# Altium PCB SmallHat_V2.PcbDoc (part 2 of 2)
Units mil, origin at the board's own origin, x right, y up, seen from the top; angles counter-clockwise.
Board outline 2559.06 x 2204.72 mil, 2 copper layers (Top Layer, Bottom Layer); 83 components, 99 nets, 402 pads, 279 vias.
Unrouted connection lines stored in the file: 1.
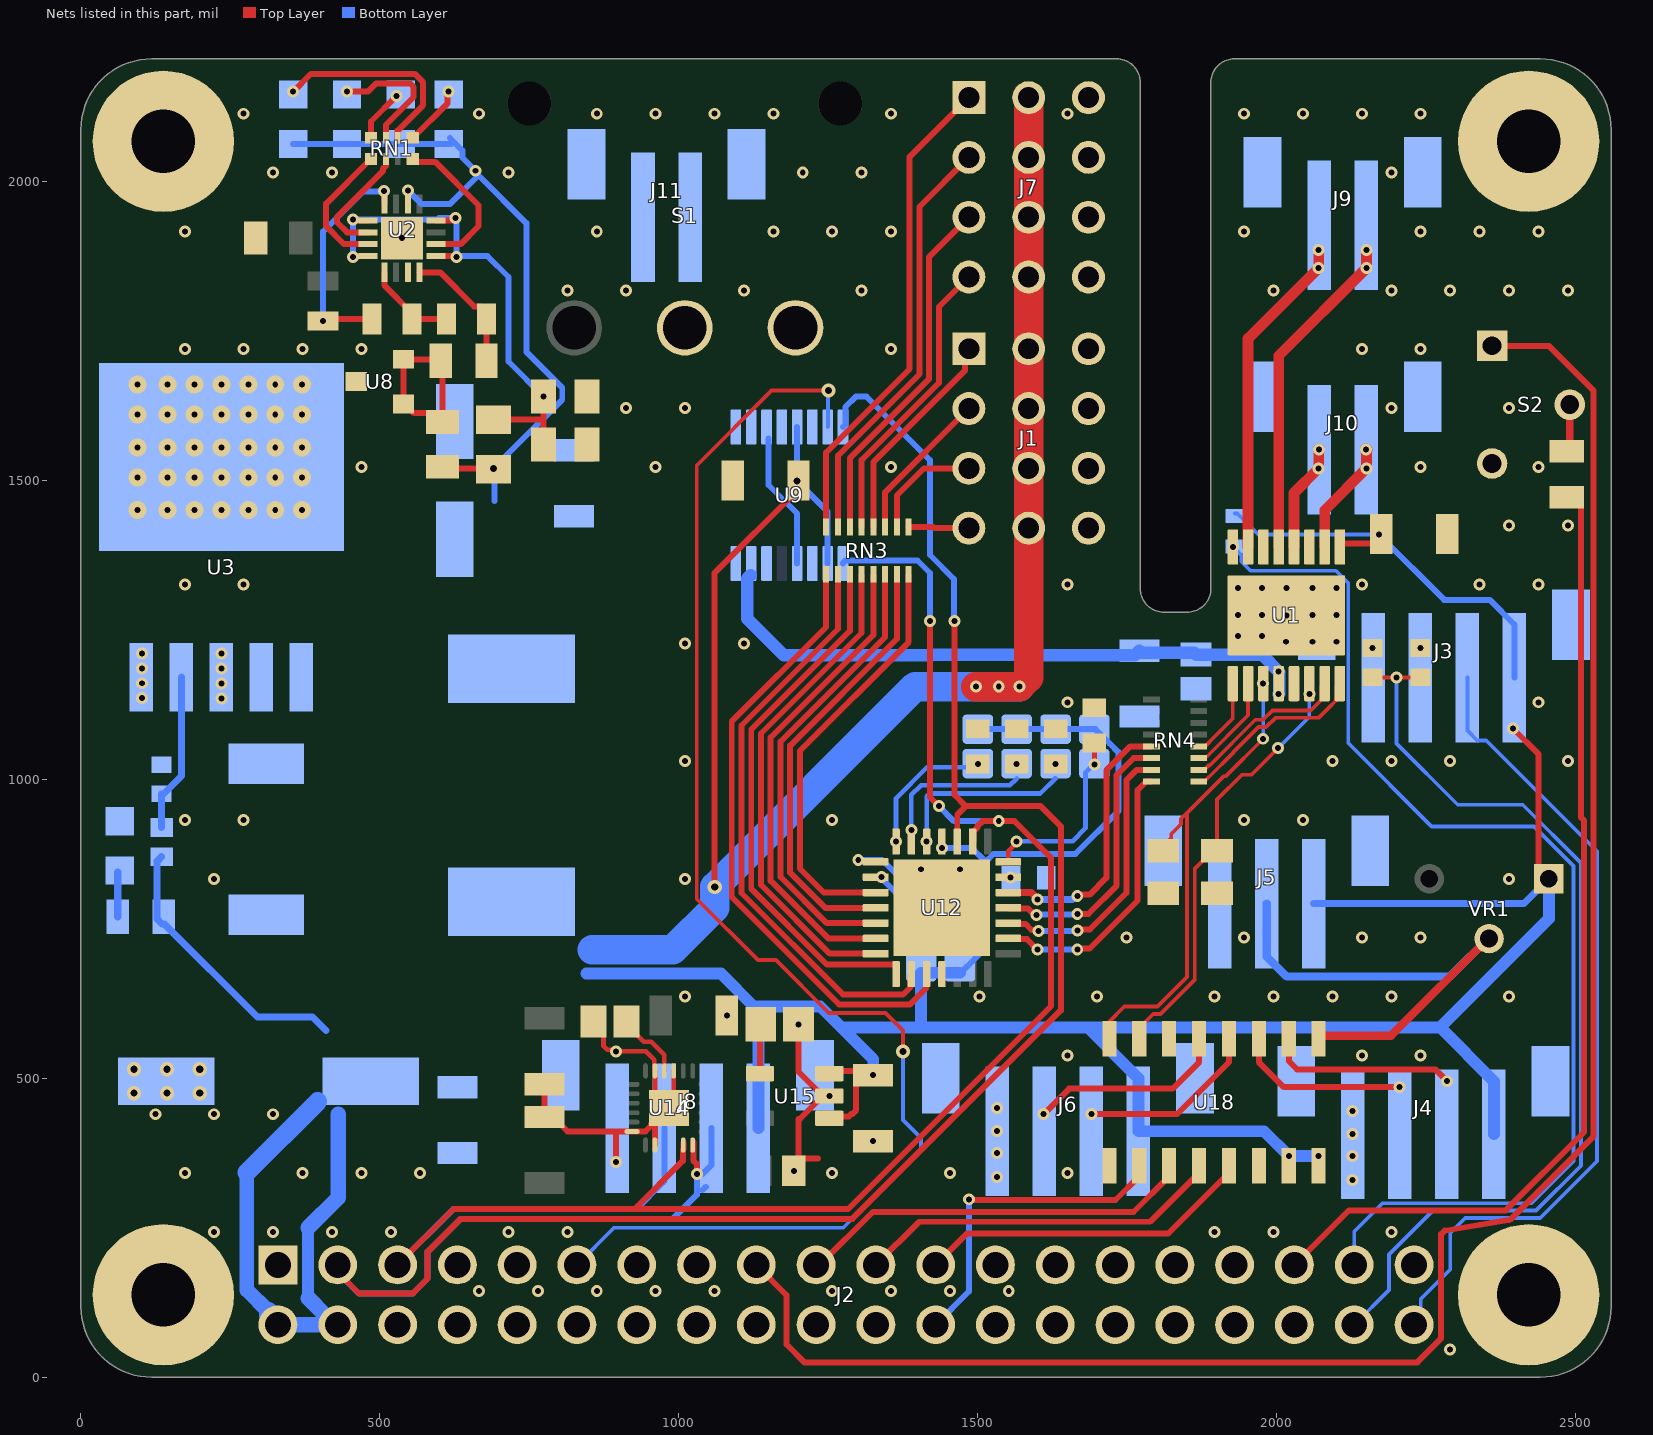
[diagram p2: the nets of this part, all layers, seen from the top]

## Via types
v1: diameter 20, hole 10, Top Layer to Bottom Layer, 233 vias
v2: diameter 30, hole 10, Top Layer to Bottom Layer, 35 vias
v3: diameter 23.62, hole 11.81, Top Layer to Bottom Layer, 11 vias

## Nets (pads, with @x,y where several pads share a name; then routed paths per layer and width w, separated by ;. In a path a pad name is that pad's centre, name@x,y a point inside that pad or via, vN(x,y) a via of type N, cw(c..) or ccw(c..) an arc to the next point about the centre after c; other vN are vias at no path point) (continued)
2IN+: R32.2 R34.1 U2.4 | length 384.5
  Top Layer w10: v1(405,1766.5) 408.5,1770 R32.2@486.5,1770 ; v1(506.95,1983.7) 507.47,1983.18 U2.4@507.47,1961.84
  Bottom Layer w10: v1(405,1766.5) 405,1916.05 472.08,1983.12 506.37,1983.12 v1(506.95,1983.7)
2OUT: RN1.2 U2.6 | length 198.4
  Top Layer w10: U2.6@480,1914.68 445.32,1914.68 428.06,1931.94 428.06,1940.23 504.94,2017.11 504.94,2020.5 505,2020.57 505,2020.76 510.16,2025.91 RN1.2@510.16,2037.28
3.3V: J2.1 J2.17 S2.1 | length 3216.6
  Top Layer w10: J2.17@1129.53,187.8 1180,137.32 1180,55 1210,25 2235,25 2275,65 2275,235 2275,239.14 2280.86,245 2387.18,262.64 cw(c2421.26,137.8) 2390.29,263.44 2530,403.16 2530,1650 2455,1725 S2.1@2360,1725
3IN+: R30.2 R32.1 U2.9 | length 157
  Top Layer w10: U2.9@507.47,1847.84 507.47,1825.9 553.5,1779.88 R32.1@553.5,1770 ; R32.1@553.5,1775 558.5,1770 R30.2@611.5,1770
3OUT: RN1.1 U2.7 | length 226.1
  Top Layer w10: U2.7@480,1895 440,1895 410,1925 410,1962.72 484.57,2037.28 RN1.1@485.06,2037.28
4IN+: R28.2 R30.1 U2.12 | length 220
  Top Layer w10: U2.12@566.53,1847.84 600.66,1847.84 657.75,1790.75 667.62,1790.75 678.5,1779.88 R30.1@678.5,1770 678.39,1769.89 R28.2@678.39,1700
4OUT: RN1.4 U2.14 | length 260.5
  Top Layer w10: RN1.4@554.94,2037.28 559.78,2032.44 592.56,2032.44 665,1960 665,1925 635,1895 U2.14@594,1895
5V: C4.2 C8.2 C11.1 C15.1 C22.1 J1.5 J1.6 J1.7 J1.8 J2.2 J2.4 J3.1 J4.1 J5.1 J6.1 J7.5 J7.6 J7.7 J7.8 J8.1 L1.2 PD1.2 PD2.2 PD3.2 PD4.2 PD5.2 PD6.2 R2.1 R8.1 R13.1 U1.1 U9.5 U9.10 U12.25 U15.1 U15.3 U18.15 U18.16 VR1.1 | length 9842.9
  Top Layer w9.84: U1.1@2105.59,1388.35 2111.42,1394.17 2159.17,1394.17 C4.2@2172.5,1407.5
  Top Layer w10: v3(1060,820) 1060,1345.12 1197.8,1482.91 v3(1197.8,1498.66) ; U15.1@1251.69,432.87 1255,436.18 1284.46,436.18 1288.28,440 1290,440 1296.54,446.54 1296.54,491.42 1310.24,505.12 v1(1325,505.12) 1317.72,512.4 U15.3@1253.07,512.4 ; v1(2395,1085) 2437.9,1042.1 VR1.1@2437.9,816.52
  Top Layer w49.21: v1(1496.61,1155) v1(1535,1155) v1(1570,1155) 1585,1170 J1.8@1585,1420 ; J1.8@1585,1421.57 J1.7@1585,1520 J1.6@1585,1620 J1.5@1585,1720 J7.8@1585,1840 J7.7@1585,1940 J7.6@1585,2040 J7.5@1585,2140
  Bottom Layer w6.3: R2.1@1930,1444.53 1933.94,1444.53 1969.06,1409.41 v1(2170.59,1409.41)
  Bottom Layer w10: U9.5@1197.8,1589.17 v3(1197.8,1498.66) 1248.98,1447.48 U9.10@1248.98,1360.83 ; v1(1440,885) 1490,885 1513.14,861.86 ; PD3.2@1470,676.25 1471.52,676.25 1495.48,700.21 1495.6,700.21 1513.14,717.75 1513.14,861.86 ; PD4.2@1500,1083.75 PD5.2@1565,1083.75 PD6.2@1630,1083.75 1696.52,1083.75 1720.41,1059.85 1720.62,1059.85 1735,1045.47 1735,946.79 1663.21,875 1526.27,875 1513.14,861.86 ; v1(2170.59,1409.41) 2280,1300 2356.06,1300 2397.48,1258.58 J3.1@2397.48,1170
  Bottom Layer w11.81: R13.1@135,870.39 127.56,862.95 127.56,766.06 135.43,758.19 139.37,758.19 295.06,602.5 387.5,602.5 410,580 ; J5.1@2061.79,792.08 2413.46,792.08 VR1.1@2455,833.62
  Bottom Layer w19.68: J2.2@329.53,87.8 J2.2@337.8,87.8 ; 845,675 1070.61,675 1125.61,620 ; J8.1@1133.11,416.42 1133.11,612.5 1125.61,620 ; v1(1325,505.12) 1325,531.61 1271.61,585 ; PD3.2@1470,676.25 1405,676.25 1405,585 ; v1(2070,370) v1(2020,370) 1978.58,411.42 J6.1@1768.66,411.42 1768.66,500 1683.66,585 ; J4.1@2363.11,406.42 2363.11,495 2273.11,585 ; VR1.1@2455,833.62 2455,766.89 2273.11,585 ; 1125.61,620 1236.61,620 1271.61,585 ; 1271.61,585 1405,585 ; 1405,585 1683.66,585 ; 1683.66,585 2273.11,585
  Bottom Layer w20: 380.12,132.39 380.12,250.12
  Bottom Layer w25: 277.36,342.36 277.36,146.17 J2.2@313.66,109.87
  Bottom Layer w25.98: J2.2@337.8,87.8 410,87.8 410,102.5 380.12,132.39 ; 380.12,250.12 430,300 430,440
  Bottom Layer w29.53: J2.2@313.66,103.66 J2.2@329.53,87.8
  Bottom Layer w31.5: 277.36,342.36 396,461 ; J2.2@313.66,103.66 J2.2@313.66,109.87
  Bottom Layer w49.21: 855,715 990,715 1060,785 v3(1060,820) 1395,1155 v1(1570,1155)
AD0: J5.2 U18.1 VR1.2 | length 884.3
  Top Layer w13.78: U18.1@2070,552.52 2070,566.67 2074.55,571.22 2191.22,571.22 VR1.2@2360,740
  Bottom Layer w13.78: J5.2@1983.05,792.08 1983.05,703.5 2016.55,670 2290,670 VR1.2@2360,740
AD1: J4.2 U18.2 | length 302.7
  Top Layer w10: U18.2@2020,552.52 2020,528.86 2033.86,515 2265,515 v1(2285,495)
AD2: J4.3 U18.3 | length 278
  Top Layer w10: U18.3@1970,552.52 1970,526.93 2011.93,485 v1(2205,485)
AD3: J6.2 U18.4 | length 291.6
  Top Layer w10: v1(1690,440) 1833.07,440 1920,526.93 U18.4@1920,552.52
AD4: J6.3 U18.5 | length 321.6
  Top Layer w10: v1(1610,440) 1652.71,482.71 1825.78,482.71 1870,526.93 U18.5@1870,552.52
AD5: U18.6
AD6: R4.2 U1.14 U18.7 | length 728.3
  Top Layer w6.3: U18.7@1770,552.52 1770,584.02 1793.39,607.4 1805.74,607.4 1862.6,664.26 1862.6,849.92 1893.11,880.43 R4.2@1900,880.43 1900,966 1941.66,1007.67 1957.78,1007.67 v1(2002.06,1051.95)
  Bottom Layer w6.3: v1(2002.06,1051.95) 2054.34,1104.23 v1(2054.34,1142.31)
AD7: R3.2 U1.11 U18.8 | length 824.7
  Top Layer w6.3: U18.8@1720,552.52 1720,595 1745,620 1800.52,620 1850,669.48 1850,943.84 ; R3.2@1806.89,885.43 1823.43,901.97 1823.43,908.43 1839.78,924.78 ; 1840,924.78 1840,933.84 1850,943.84 ; v1(1977.25,1067.75) 1914.39,1004.89 1911.05,1004.89 1850,943.84
  Bottom Layer w6.3: v1(1977.25,1067.75) v1@1977.23,1159.98
  other v1: 1977.2,1160
B+: J11.1 S1.2
B+SW: S1.3 U9.1 U9.2 U9.3 U9.12 | length 229
  Bottom Layer w9.84: U9.3@1150,1570 1150,1492.15 1197.8,1444.35 U9.12@1197.8,1360.83
BM+: C1.1 C2.1 C16.1 C17.1 LED5.2 LED6.2 LED7.2 LED8.2 R26.2 R27.1 U1.12 U2.2 U3.1 U9.14 U9.15 U9.16 | length 2268.1
  Top Layer w10: R27.1@605,1522.56 607.56,1520 v3(690,1520)
  Bottom Layer w10: LED5.2@355,2062.32 LED6.2@445,2062.32 LED8.2@620,2062.32 ; v1(546.84,1984.91) 569.91,1961.84 616.84,1961.84 665,2010 745,1930 745,1715 805,1655 805,1635 v3(690,1520) 691.46,1518.54 691.46,1465 ; LED8.2@617.22,2072.22 638.19,2051.25 638.19,2039.49 v1(660,2017.68)
  Bottom Layer w21: U9.15@1119.88,1341.3 1114.16,1335.58 1114.16,1268.67 1175.58,1207.25 1422.95,1207.25 1423.7,1208 1596.07,1208 1596.82,1207.25 1762.13,1207.25 C1.1@1770,1215.12 1773.26,1211.86 1861.74,1211.86 C2.1@1865,1208.59 ; C2.1@1865,1208.28 1974.95,1208.28 2004,1179.22 2004,1143.35 v1(2003.23,1142.57)
  other v1: 2003.23,1180
Echo: J3.3 R23.1
  other v1: 2240,1219.61
FB: R1.1 R13.2 U3.4 | length 266.6
  Bottom Layer w11.81: R13.2@135,919.61 R1.1@135,975.39 137.95,975.39 168.07,1005.51 U3.4@168.07,1170.75
GND: C1.2 C2.2 C3.1 C4.1 C8.1 C9.1 C10.2 C11.2 C12.2 C13.2 C14.1 C15.2 C16.2 C17.2 C22.2 D1.2 J1.9 J1.10 J1.11 J1.12 J2.6 J2.9 J2.14 J2.20 J2.25 J2.30 J2.34 J2.39 J3.4 J3.5 J3.6 J4.4 J4.5 J4.6 J5.3 J5.4 J5.5 J6.4 J6.5 J6.6 J7.9 J7.10 J7.11 J7.12 J8.4 J8.5 J8.6 J9.3 J9.4 J10.3 J10.4 J11.2 J11.3 J11.4 LED1.1 PTH1.0 PTH2.0 PTH3.0 PTH4.0 R1.2 R3.1 R4.1 R5.1 R6.1 R7.1 R9.1 R10.1 R11.1 R12.1 R24.2 R35.2 R36.1 R37.1 S2.3 U1.3 U1.6 U1.13 U1.17 U2.11 U2.17 U3.3 U3.5 U3.6 U8.3 U9.4 U9.6 U9.11 U12.11 U12.29 U14.9 U14.11 U14.18 U14.20 U14.25 U15.2 U18.9 U18.14 | length 986.8
  Top Layer w8: C13.2@857.44,595 874.09,578.35 874.09,553.73 880.21,547.61 892.39,547.61 v1(895,545) 945,545 958.94,531.06 958.94,513.35 U14.11@960,512.28 960,473.9 U14.25@983.62,450.28 991.5,458.15 U14.9@991.5,512.28
  Top Layer w10: C10.2@775,489.88 C3.1@775,435.12 789.76,435.12 813.98,410.91 895,410.91 ; v1(895,360) 895,410.91 ; U14.25@958.43,428.23 953.31,423.11 953.31,420.35 943.86,410.91 U14.18@921.61,410.91 895,410.91 ; U14.20@960,388.27 U14.25@960,426.65 ; C12.2@1200.12,353.18 C12.2@1200.12,359.13 ; v1(1200.12,590.28) 1200.12,511.02 U15.2@1240.87,470.28 ; 1232.78,366.03 1207.01,366.03 C12.2@1200.12,359.13 ; v1(1251.69,470.28) U15.2@1240.87,470.28 ; C12.2@1192.21,351.23 v1(1192.21,345.28) C12.2@1192.21,351.23 ; C12.2@1192.21,351.23 C12.2@1200.12,359.13 ; C12.2@1200.12,359.13 1200.12,432.1 1202.69,432.1 U15.2@1240.87,470.28
  other v1: 2289.88,46.1 665.87,144.53 764.29,144.53 862.72,144.53 961.14,144.53 1059.57,144.53 1256.42,144.53 1354.84,144.53 1453.27,144.53 1551.69,144.53 222.95,242.95 321.38,242.95 419.8,242.95 518.23,242.95 715.08,242.95 813.5,242.95 1896.18,242.95 1994.61,242.95 2191.46,242.95 2126.89,330 1532.44,335 173.74,341.38 370.59,341.38 469.02,341.38 567.44,341.38 1256.42,341.38 1453.27,341.38 1650.12,341.38 2126.89,370 1532.44,375 1325,394.88 2126.89,406.42 1532.44,411.42 124.53,439.8 222.95,439.8 321.38,439.8 2126.89,445 1532.44,450 1650.12,538.23 2142.24,538.23 2240.67,538.23 1080.12,605 1010.35,636.65 1502.48,636.65 1699.33,636.65 1896.18,636.65 1994.61,636.65 2093.03,636.65 2191.46,636.65 2388.31,636.65 1748.54,735.08 1945.39,735.08 2142.24,735.08 2240.67,735.08 222.95,833.5 1010.35,833.5 2388.31,833.5 1405,849.53 1470,849.53 173.74,931.93 272.17,931.93 1256.42,931.93 1945.39,931.93 2043.82,931.93 1010.35,1030.35 2093.03,1030.35 2191.46,1030.35 2289.88,1030.35 2486.73,1030.35 1650.12,1128.78 2437.52,1128.78 235,1135 102.45,1135.6 235,1160 102.45,1160.6 235,1185 102.45,1185.6 235,1210 102.45,1210.6 2160,1219.61 1010.35,1227.2 1108.78,1227.2 2015,1230 2060,1230 2100,1230 1935,1240 1975,1240 2016.02,1274.17 1935,1275 1975,1275 2060,1275 2100,1275 1935,1320 1975,1320 2016.02,1320 2060,1320 2100,1320 173.74,1325.63 272.17,1325.63 1650.12,1325.63 2142.24,1325.63 2339.09,1325.63 2437.52,1325.63 2388.31,1424.06 2486.73,1424.06 469.02,1522.48 961.14,1522.48 1354.84,1522.48 2240.67,1522.48 2437.52,1522.48 911.93,1620.91 1010.35,1620.91 2191.46,1620.91 2388.31,1620.91 173.74,1719.33 272.17,1719.33 370.59,1719.33 469.02,1719.33 1354.84,1719.33 2142.24,1719.33 2240.67,1719.33 813.5,1817.76 911.93,1817.76 1108.78,1817.76 1305.63,1817.76 1994.61,1817.76 2191.46,1817.76 2289.88,1817.76 2388.31,1817.76 2486.73,1817.76 537,1904.84 173.74,1916.18 862.72,1916.18 1157.99,1916.18 1256.42,1916.18 1354.84,1916.18 1945.39,1916.18 2240.67,1916.18 2339.09,1916.18 2437.52,1916.18 321.38,2014.61 419.8,2014.61 715.08,2014.61 1207.2,2014.61 1305.63,2014.61 2191.46,2014.61 272.17,2113.03 665.87,2113.03 862.72,2113.03 961.14,2113.03 1059.57,2113.03 1157.99,2113.03 1354.84,2113.03 1650.12,2113.03 1945.39,2113.03 2043.82,2113.03 2142.24,2113.03 2240.67,2113.03
  other v2: 95,1450 145,1450 190,1450 235,1450 280,1450 325,1450 370,1450 95,1505 145,1505 190,1505 235,1505 280,1505 325,1505 370,1505 95,1555 145,1555 190,1555 235,1555 280,1555 325,1555 370,1555 95,1610 145,1610 190,1610 235,1610 280,1610 325,1610 370,1610 95,1660 145,1660 190,1660 235,1660 280,1660 325,1660 370,1660
  other v3: 88.74,475 143.74,475 198.74,475 88.74,515 143.74,515 198.74,515
"GPIO00 (I2C0_SDA)": J2.27
"GPIO01 (I2C0_SCL)": J2.28
"GPIO02 (I2C1_SDA)": J2.3 J8.2 U9.8 U12.24 U14.24 | length 3748.2
  Top Layer w10: J2.3@429.53,187.8 429.53,175.47 465,140 555,140 580,165 580,210 635,265 1290,265 1638.69,613.69 1638.69,921.31 1605,955 1480,955 ; U14.24@1024.37,392.99 1024.37,362.19 1030,356.56 v1(1030,340) ; v1(1461.3,1265) 1461,1264.7 1461,974 1480,955 ; U12.24@1465.59,895.83 1465.59,940.59 1480,955
  Bottom Layer w10: J2.3@429.53,187.8 429.53,175.21 464.74,140 555,140 580,165 580,210 635,265 990,265 1030,305 v1(1030,340) 1039.68,340 1054.37,354.69 J8.2@1054.37,416.42 ; J8.2@1039.68,313.15 J8.2@1045,318.46 ; U9.8@1274.57,1589.17 1278.43,1593.03 1278.43,1622.57 1295.86,1640 1313.74,1640 1420,1533.74 1420,1375 1460,1335 1460,1266.3 v1(1461.3,1265)
"GPIO03 (I2C1_SCL)": J2.5 J8.3 U9.9 U12.23 U14.23 | length 3102.2
  Top Layer w10: J2.5@529.53,187.8 623.03,281.3 926.3,281.3 ; U14.23@1007.8,392.17 1007.8,381.52 1006.73,380.45 1006.73,361.73 926.3,281.3 ; v1(1420,1265) 1420,970 v1(1435,955) ; U12.23@1491.18,895.83 1492.48,897.13 1492.48,912.48 1499.17,919.17 1499.17,921.24 1507.94,930 1561.42,930 1622.39,869.03 1622.39,620.44 1283.25,281.3 926.3,281.3
  Bottom Layer w10: J2.5@529.53,187.8 622.73,281 928.8,281 973.43,325.63 975.63,327.83 J8.3@975.63,416.42 ; U9.9@1274.57,1360.83 1274.57,1362 1278.43,1365.86 1399.14,1365.86 1420,1345 v1(1420,1265) ; v1(1435,955) 1460,930 v1(1535,930)
"GPIO04 (GPCLK)": J2.7
GPIO05: J2.29
GPIO06: J2.31
"GPIO07 (SPI0_CE1)": J2.26
"GPIO08 (SPI0_CE0)": J2.24 U18.10 | length 540.7
  Top Layer w10: v1(1485,297.6) 1486.3,296.3 1730.32,296.3 1770,335.98 U18.10@1770,341.89
  Bottom Layer w10: J2.24@1429.53,87.8 1485,143.27 v1(1485,297.6)
"GPIO09 (MISO)": J2.21 U18.12 | length 629.9
  Top Layer w10: J2.21@1329.53,187.8 1401.73,260 1788.11,260 1870,341.89 U18.12@1870,367.48
"GPIO10 (MOSI)": J2.19 U18.11 | length 657.8
  Top Layer w10: J2.19@1229.53,187.8 1235.85,187.8 1324.35,276.3 1760.32,276.3 1820,335.98 U18.11@1820,341.89
"GPIO11 (SCLK)": J2.23 U18.13 | length 579.9
  Top Layer w10: J2.23@1429.53,187.8 1481.73,240 1818.11,240 1920,341.89 U18.13@1920,367.48
"GPIO12 (PWM0)": J2.32
"GPIO13 (PWM1)": J2.33
"GPIO14 (UART_TX)": J2.8
"GPIO15 (UART_RX)": J2.10
GPIO16: J2.36
GPIO17: J2.11 U9.7 | length 2361.7
  Top Layer w6.3: v3(1250,1650) 1155,1650 1030,1525 1030,799.93 1132.21,697.72 1162.28,697.72 1250.75,609.25 1345.75,609.25 1375,580 v3(1375,545)
  Bottom Layer w6.3: J2.11@829.53,187.8 891.73,250 1275,250 1405,380 1405,400 1375,430 v3(1375,545) ; U9.7@1248.98,1589.17 1249.49,1589.68 1249.49,1649.49 v3(1250,1650)
"GPIO18 (PWM0)": J2.12
GPIO19: J2.35 R14.2 | length 1658.6
  Top Layer w10: J2.35@2029.53,187.8 2120.67,278.94 2382.73,278.94 2513.7,409.91 2513.7,931.33 2508.54,936.49 2508.54,1466.61 R14.2@2491.89,1483.27
GPIO20: J2.38 R23.2 R24.1 | length 1612
  Top Layer w6.3: R24.1@2160,1170.39 2160.39,1170 v1(2200,1170) 2239.61,1170 R23.2@2240,1170.39
  Bottom Layer w6.3: J2.38@2129.53,87.8 2187.6,145.87 2187.6,205.16 2261.14,278.7 2433.7,278.7 2508.54,353.54 2508.54,860.05 2411.24,957.35 2302.65,957.35 2200,1060 v1(2200,1170)
GPIO21: J2.40 J3.2 | length 1380.9
  Bottom Layer w6.3: J2.40@2229.53,87.8 2240.75,99.02 2240.75,130.75 2290,180 2290,241.14 2315.26,266.4 2440.65,266.4 2535.47,361.22 2535.47,879.53 2350.12,1064.88 2335.28,1064.88 2318.74,1081.42 J3.2@2318.74,1170
GPIO22: J2.15
GPIO23: J2.16
GPIO24: J2.18
GPIO25: J2.22
GPIO26: J2.37 R2.2 U1.8 | length 1918.6
  Bottom Layer w6.3: v1(1926.46,1388.35) 1927.13,1388.35 1941.03,1374.44 1941.03,1363.97 1956.25,1348.75 2098.75,1348.75 2119.45,1328.06 2119.45,1060.55 2258.94,921.06 2430.14,921.06 2496.24,854.95 2496.24,361.24 2426,291 2176.78,291 2129.53,243.75 J2.37@2129.53,187.8
GPIO27: J2.13
IN-: R26.1 R36.2 R37.2 U2.5 U2.8 U2.13 U2.16 | length 906
  Top Layer w10: v1(455,1873.7) 456.61,1875.31 U2.8@480,1875.31 ; v1(455.06,1935.98) 456.67,1934.37 U2.5@480,1934.37 ; U2.13@594,1875.31 626.51,1875.31 v1(628.12,1873.7) ; U2.16@594,1934.37 618.92,1934.37 623.42,1938.87 v1(626.13,1938.87) ; R26.1@690,1601.34 772.24,1601.34 773.58,1600 ; R36.2@773.58,1560 773.58,1600 ; v1(773.58,1640) 773.58,1600
  Bottom Layer w10: v1(455,1873.7) v1(455.06,1935.98) ; v1@455.52,1935.52 456.23,1936.23 596.13,1936.23 598.77,1938.87 v1(626.13,1938.87) ; v1@627.54,1935.16 628.12,1934.58 v1@628.12,1874.49 ; v1(628.12,1873.7) v1@628.12,1874.49 ; v1(773.58,1640) 715,1698.58 715,1839.94 679.94,1875 628.63,1875 v1@628.12,1874.49
MotorA+: J10.2 U1.4 | length 180.4
  Top Layer w18: U1.4@2028.82,1388.35 2028.82,1478.82 v1(2070,1520) v1@2070,1550.79
  Top Layer w19.68: v1@2070,1550.79 v1(2070.63,1551.42)
MotorA-: J10.1 U1.2 | length 192.3
  Top Layer w18: U1.2@2080,1388.35 2080,1450 v1(2150,1520) v1@2150,1550.79
  Top Layer w19.68: v1(2149.37,1551.42) v1@2150,1550.79
MotorB+: J9.2 U1.7 | length 545.5
  Top Layer w18: U1.7@1952.05,1388.35 1952.05,1737.05 v1(2070,1855) v1(2070,1885)
MotorB-: J9.1 U1.5 | length 557.4
  Top Layer w18: U1.5@2003.23,1388.35 2003.23,1708.23 v1(2150,1855) v1(2150,1885)
NetC13_1: C13.1 U14.10 | length 116.1
  Top Layer w6: C13.1@912.56,590.08 C13.1@912.56,595
  Top Layer w8: C13.1@912.56,590.08 941.53,561.11 953.89,561.11 975.75,539.25 U14.10@975.75,512.28
NetLED1_2: LED1.2 R8.2 | length 75.3
  Bottom Layer w11.81: R8.2@61.61,770 LED1.2@61.61,845.28
NetLED5_1: LED5.1 RN1.6 | length 346
  Top Layer w10: v1(355,2150) 384.72,2179.72 558.17,2179.72 572.4,2165.49 572.4,2127.4 529.84,2084.84 RN1.6@529.84,2072.72
NetLED6_1: LED6.1 RN1.7 | length 223.7
  Top Layer w10: v1(445,2150) 480,2150 493.72,2163.72 550.44,2163.72 556.3,2157.87 556.3,2140.68 510.16,2094.53 RN1.7@510.16,2072.72
NetLED7_1: LED7.1 RN1.8 | length 87.8
  Top Layer w10: RN1.8@485.06,2072.72 485.06,2100.06 527.43,2142.43 v1(527.93,2142.43)
NetLED8_1: LED8.1 RN1.5 | length 102.4
  Top Layer w10: RN1.5@554.94,2072.72 555.43,2072.72 612.74,2130.02 612.74,2147.74 v1(615,2150)
NetR14_1: R14.1 S2.2 | length 80.2
  Top Layer w11.81: R14.1@2485,1548.39 2489.92,1553.31 S2.2@2489.92,1626.57
NetR27_2: R27.2 R28.1 U8.1 U8.2 | length 318.2
  Top Layer w10: U8.1@539.37,1627.6 U8.2@539.37,1702.4 599.21,1702.4 R28.1@601.61,1700 605,1696.61 R27.2@605,1597.44 590.19,1612.25 556.69,1612.25 U8.1@541.34,1627.6
NetRN3_1: RN3.1 U12.10 | length 1035.7
  Top Layer w10: RN3.1@1246.45,1338.88 1246.45,1254.75 1088.46,1096.77 1088.46,803.15 1267.91,623.7 1386.75,623.7 1406.42,643.37 1413.11,650.06 1413.11,672.87 U12.10@1414.41,674.17
NetRN3_2: RN3.2 U12.9 | length 980.3
  Top Layer w10: RN3.2@1266.14,1342.84 1266.14,1251.39 1104.76,1090.02 1104.76,809.9 1274.67,640 1375,640 1387.52,652.52 1387.52,672.87 U12.9@1388.82,674.17
NetRN3_3: RN3.3 U12.8 | length 904.1
  Top Layer w10: RN3.3@1285.82,1342.84 1285.82,1248.02 1121.06,1083.26 1121.06,816.65 1247.71,690.01 1361.93,690.01 1363.23,688.71 U12.8@1363.23,674.17
NetRN3_4: RN3.4 U12.7 | length 828.6
  Top Layer w10: RN3.4@1305.51,1342.84 1305.51,1244.66 1137.36,1076.51 1137.36,823.4 1252.54,708.23 U12.7@1329.17,708.23
NetRN3_5: RN3.5 U12.6 | length 799.2
  Top Layer w10: RN3.5@1325.19,1342.84 1325.19,1241.29 1153.66,1069.76 1153.66,830.16 1250,733.82 U12.6@1329.17,733.82
NetRN3_6: RN3.6 U12.5 | length 769.7
  Top Layer w10: U12.5@1329.17,759.41 1247.46,759.41 1169.96,836.91 1169.96,1063.01 1344.88,1237.93 RN3.6@1344.88,1342.84
NetRN3_7: RN3.7 U12.4 | length 740.3
  Top Layer w10: U12.4@1329.17,785 1244.92,785 1186.26,843.66 1186.26,1056.26 1364.56,1234.56 RN3.7@1364.56,1342.84
NetRN3_8: RN3.8 U12.3 | length 710.8
  Top Layer w10: U12.3@1329.17,810.59 1242.38,810.59 1202.56,850.41 1202.56,1047.56 1384.25,1229.25 RN3.8@1384.25,1342.84
NetRN4_5: RN4.5 U12.19 | length 456.3
  Top Layer w10: v1(1666.3,805) 1668.21,806.91 1686.91,806.91 1715,835 1715,1015 1755,1055 RN4.5@1790.32,1055
  Top Layer w11.81: U12.19@1550.83,810.59 1589.3,810.59 1600,799.89 v1(1600,799.02)
  Bottom Layer w11.81: v1(1600,799.02) 1658.1,799.02 1664.08,805 v1(1666.3,805)
NetRN4_6: RN4.6 U12.18 | length 461.6
  Top Layer w10: U12.18@1550.83,785 1552.13,783.7 1584.21,783.7 1595.1,772.81 v1(1597.81,772.81) ; v1(1666.3,775) 1685,775 1732.2,822.2 1732.2,1007.2 1760.32,1035.32 RN4.6@1790.32,1035.32
  Bottom Layer w10: v1(1597.81,772.81) 1598.9,773.9 1665.2,773.9 v1(1666.3,775)
NetRN4_7: RN4.7 U12.17 | length 467.1
  Top Layer w10: U12.17@1550.83,759.41 1566.18,759.41 1567.48,758.11 1579.62,758.11 1589.73,748.01 1599.18,748.01 v1(1601.09,746.09) ; v1(1666.85,746.97) 1668.77,748.89 1687.52,748.89 1748.5,809.87 1748.5,998.5 1765.63,1015.63 RN4.7@1790.32,1015.63
  Bottom Layer w10: v1(1601.09,746.09) 1601.53,746.53 1666.41,746.53 v1(1666.85,746.97)
NetRN4_8: RN4.8 U12.16 | length 471.8
  Top Layer w10: U12.16@1550.83,733.82 1552.13,732.52 1582.16,732.52 1599.68,715 v1(1600,715) ; v1(1666.3,715) 1668.21,716.91 1686.91,716.91 1767.13,797.13 1767.13,981.76 1781.32,995.95 RN4.8@1790.32,995.95
  Bottom Layer w10: v1(1600,715) v1(1666.3,715)
NR: C9.2 U15.4 | length 83.3
  Top Layer w10: U15.4@1135.55,507.68 1135.55,588.7 C9.2@1137.13,590.28
PWM0: J1.4 RN3.9 | length 101.5
  Top Layer w10: RN3.9@1384.25,1421.84 1425.45,1421.84 1427.3,1420 J1.4@1485,1420
PWM1: J1.3 RN3.10 | length 192
  Top Layer w10: RN3.10@1364.56,1421.84 1364.56,1474.56 1410,1520 J1.3@1485,1520
PWM2: J1.2 RN3.11 | length 256.2
  Top Layer w10: RN3.11@1344.88,1421.84 1344.88,1479.88 J1.2@1485,1620
PWM3: J1.1 RN3.12 | length 364.4
  Top Layer w10: RN3.12@1325.19,1421.84 1325.19,1530.19 1478.36,1683.36 1478.36,1713.36 J1.1@1485,1720
PWM4: J7.4 RN3.13 | length 492.5
  Top Layer w10: RN3.13@1305.51,1421.84 1305.51,1533.56 1435,1663.05 1435,1790 J7.4@1485,1840
PWM5: J7.3 RN3.14 | length 600.7
  Top Layer w10: RN3.14@1285.82,1421.84 1285.82,1536.92 1418.7,1669.8 1418.7,1873.7 J7.3@1485,1940
PWM6: J7.2 RN3.15 | length 708.8
  Top Layer w10: RN3.15@1266.14,1421.84 1266.14,1541.14 1402.4,1677.4 1402.4,1957.4 J7.2@1485,2040
PWM7: J7.1 RN3.16 | length 817
  Top Layer w10: RN3.16@1246.45,1421.84 1246.45,1546.45 1386.1,1686.1 1386.1,2041.1 J7.1@1485,2140
PWM12: RN4.9 U1.16 | length 317.4
  Top Layer w6.3: RN4.9@1869.32,995.95 1878.32,995.95 1885.85,1003.48 1886.28,1003.48 1927.73,1044.94 1927.73,1045.74 1969.19,1087.2 1982.19,1087.2 1997.69,1102.7 2069.97,1102.7 2090.59,1123.32 2090.68,1123.32 2096.01,1128.65 2096.01,1128.74 2099.88,1132.62 2099.88,1154.29 U1.16@2105.59,1160
PWM13: RN4.10 U1.15 | length 283.2
  Top Layer w6.3: RN4.10@1869.32,1015.63 1878.32,1015.63 1885.85,1023.17 1887.77,1023.17 1964.1,1099.5 1977.09,1099.5 1992.6,1115 2056.68,1115 2065,1123.32 2065.09,1123.32 2070.42,1128.65 2070.42,1128.74 2074.29,1132.62 2074.29,1154.29 U1.15@2080,1160
PWM14: RN4.11 U1.10 | length 165.4
  Top Layer w6.3: RN4.11@1869.32,1035.32 1880.32,1035.32 1952.05,1107.05 U1.10@1952.05,1160
PWM15: RN4.12 U1.9 | length 124.2
  Top Layer w6.3: RN4.12@1880,1055 1898.04,1073.04 1926.46,1101.46 U1.9@1926.46,1160
PWM_A0: PD6.1 R11.2 U12.26 | length 303.6
  Bottom Layer w7.87: v1(1414.41,895.83) 1414.41,971.51 1419.02,976.13 1603.99,976.13 1629.11,1001.24 1630,1001.24
  other v1: 1630,1025.47
PWM_A1: PD5.1 R10.2 U12.27 | length 246
  Bottom Layer w7.87: v1(1388.82,915.35) 1388.82,973.82 1405,990 1553.76,990 1565,1001.24
  other v1: 1565,1025.47
PWM_A2: PD4.1 R9.2 U12.28 | length 229.6
  Bottom Layer w7.87: v1(1363.23,895.83) 1363.23,968.23 1415,1020 PD4.1@1498.94,1020
  other v1: 1500,1025.47
PWM_A3: PD3.1 R7.2 U12.1 | length 258.1
  Bottom Layer w10: v1(1300,865) 1340,865 1374.02,830.98 1374.02,829.1 1380.99,822.13 1434.41,822.13 1459.84,796.7 1462.72,796.7 1462.72,783.81 1470,776.54 PD3.1@1470,733.76
PWM_A4: PD2.1 R6.2 U12.2 | length 139.2
  Bottom Layer w10: v1(1338.58,836.18) 1338.58,834.82 1374.55,798.86 1390.31,798.86 1394.25,794.92 1394.25,791.22 1405,780.47 PD2.1@1405,733.76
PWM_A5: PD1.1 R5.2 U12.21 | length 314.3
  Top Layer w7.87: U12.21@1550.83,861.77 1550.83,879.88 1565,894.06 v1(1565,896.3) ; v1(1695,1025) R5.2@1695,1060.47
  Bottom Layer w7.87: v1(1565,896.3) 1658.35,896.3 1680,917.95 1680,1011.24 PD1.1@1695,1026.24
PWM_OE: R12.2 U12.20 | length 15.4
  Top Layer w10: U12.20@1550.83,836.18 U12.20@1566.18,836.18
  other v1: 1555,835.47
SW: D1.1 L1.1 U3.2
pads on no net: RN4.1 RN4.2 RN4.3 RN4.4 RN4.13 RN4.14 RN4.15 RN4.16 S1.1 S1.4 S1.5 U2. U2.3 U2.10 U9.13 U12.12 U12.13 U12.14 U12.15 U12.22 U14.1 U14.2 U14.3 U14.4 U14.5 U14.6 U14.7 U14.12 U14.14 U14.15 U14.16 U14.17 U14.19 U14.21 VR1.3

## Polygon pours and split planes (outlines as drawn)
GND on Bottom Layer "GND_L02_P029" (solid, pour order 29): 0,118.11 ccw(c118.11,118.11) 118.11,0 2440.94,0 ccw(c2440.94,118.11) 2559.06,118.11 2559.06,2086.61 ccw(c2440.94,2086.61) 2440.94,2204.72 1929.13,2204.72 ccw(c1929.13,2165.35) 1889.76,2165.35 1889.76,1318.9 cw(c1850.39,1318.9) 1850.39,1279.53 1811.02,1279.53 1809.37,1280.63 cw(c1809.37,1320) 1770,1320 1770,2159.89 ccw(c1727.05,2159.89) 1727.05,2202.84 118.11,2204.72 ccw(c118.11,2086.61) 0,2086.61
5V on Bottom Layer "5V_L02_P021" (solid, pour order 21): 600,865 845,865 860,850 860,645 845,630 770,630 725,585 725,465 695,435 410,435 380,465 380,575 435,630 515,630 585,700 585,850
BM+ on Bottom Layer "BM+_L02_P028" (solid, pour order 28): 1155,1320 655,1320 440,1105 350,1105 340,1115 340,1235 600,1495 1085,1495 1125,1455 1125,1435 1155,1405
B+SW on Bottom Layer "B+SW_L02_P030" (solid, pour order 30): 1160,1820 1135,1795 1080,1740 1080,1560 1090,1550 1155,1550 1160,1555 1160,1620 1210,1670 1230,1670 1260,1700 1260,1810 1250,1820
SW on Bottom Layer "SW_L02_P001" (solid, pour order 1): 270,1230 280,1240 325,1240 335,1230 335,1110 350,1095 470,1095 630,1255 815,1255 850,1220 850,1070 760,980 245,980 225,1000 225,1075 270,1120
B+ on Bottom Layer "B+_L02_P031" (solid, pour order 31): 1048.5,2056.5 1070,2035 1070,1915 1075,1910 1075,1711.5 1060,1696.5 975,1696.5 960,1711.5 960,1805 985,1830 985,2056.5
GND on Top Layer "GND_L01_P027" (solid, pour order 27): 0,118.11 ccw(c118.11,118.11) 118.11,0 2440.94,0 ccw(c2440.94,118.11) 2559.06,118.11 2559.06,2086.61 ccw(c2440.94,2086.61) 2440.94,2204.72 1929.13,2204.72 ccw(c1929.13,2165.35) 1889.76,2165.35 1889.76,1318.9 cw(c1850.39,1318.9) 1850.39,1279.53 1811.02,1279.53 1809.37,1280.63 cw(c1809.37,1320) 1770,1320 1770,2159.89 ccw(c1727.05,2159.89) 1727.05,2202.84 118.11,2204.72 ccw(c118.11,2086.61) 0,2086.61

## Silkscreen, mask and mechanical layers (free items; w line width, h text height)
Top Overlay:
  drawing of 69 lines, arcs and shapes, not listed
  text "Not Dead" at 41.22,1811.22 h39.37
  text "Made by: Kubas" at 66.22,744.34 h39.37
  text "Morton, & Tardiff" at 66.22,684.34 h39.37
  text "For WashU Senior" at 66.22,611.22 h39.37
  text "Capstone 2025" at 61.22,549.34 h39.37
  text "V2.1" at 61.22,381.22 h39.37
  text "Yet...." at 2291.22,286.22 h39.37
Bottom Overlay:
  lines w6.22: 660,2074.21 660,2025 305.67,2025 305.67,2182.48 660,2182.48 660,2133.27 ; 661.76,2073.98 696.76,2073.98 696.76,2133.99 665,2133.99
  text "+ BAT -" at 1108.78,2146.22 h39.37
  text "Motor B" at 2227.13,2132.87 h39.37
  text "7" at 1345,2125 h39.37 r270
  text "-" at 788.78,2056.54 h39.37
  text "+" at 1203.78,2054.66 h39.37
  text "6" at 1345,2025 h39.37 r270
  text "+" at 1203.78,1999.66 h39.37
  text "-" at 787.54,1998.17 h39.37
  text "0%" at 398.78,1961.22 h39.37
  text "100%" at 653.78,1960.22 h39.37
  text "+" at 1203.78,1944.66 h39.37
  text "-" at 787.54,1943.17 h39.37
  text "5" at 1345,1925 h39.37 r270
  text "+" at 1123.78,1874.66 h39.37
  text "-" at 898.78,1871.54 h39.37
  text "GPIO19" at 2522.13,1837.87 h39.37
  text "https://github.com/" at 730,1835 h39.37
  text "4" at 1345,1825 h39.37 r270
  text "Raspberry-Pi-Car" at 730,1765 h39.37
  text "Motor A" at 2247.13,1757.87 h39.37
  text "3" at 1345,1705 h39.37 r270
  text "2" at 1345,1605 h39.37 r270
  text "1" at 1345,1515 h39.37 r270
  text "0" at 1345,1405 h39.37 r270
  text "+ UltraSonic -" at 2541.5,1381.02 h39.37
  text "PWM" at 1460.63,1252.87 h39.37 r270
  text "GND" at 1667.32,1252.87 h39.37 r270
  text "+5V" at 1566.93,1247.87 h39.37 r270
  text "+ PhotoR -" at 2172.13,1002.87 h39.37
  text "A2" at 1477.87,922.87 h39.37 r270
  text "A1" at 1552.87,922.87 h39.37 r270
  text "A0" at 1617.87,917.87 h39.37 r270
  text "A5" at 1677.87,917.87 h39.37 r270
  text "A4" at 1317.87,697.87 h39.37 r270
  text "A3" at 1512.87,697.87 h39.37 r270
  text "+ I2C -" at 1147.13,622.87 h39.37
  text "+ AD3/4 -" at 1817.13,617.87 h39.37
  text "+ AD1/2 -" at 2412.13,617.87 h39.37
Mechanical 1:
  lines w10: 1809.37,1280.63 cw(c1809.37,1320) 1770,1320 1770,2159.89 ccw(c1727.05,2159.89) 1727.05,2202.84 118.11,2204.72 ccw(c118.11,2086.61) 0,2086.61 0,118.11 ccw(c118.11,118.11) 118.11,0 2440.94,0 ccw(c2440.94,118.11) 2559.06,118.11 2559.06,2086.61 ccw(c2440.94,2086.61) 2440.94,2204.72 1929.13,2204.72 ccw(c1929.13,2165.35) 1889.76,2165.35 1889.76,1318.9 cw(c1850.39,1318.9) 1850.39,1279.53 1811.02,1279.53

## Text inside footprints (layer, text, board x,y; h text height)
RN3: Mechanical 13 "*" at 1281.35,1363.34 h50 r90
RN4: Mechanical 13 "*" at 1810.82,1098.84 h50
U2: Mechanical 13 "*" at 551.37,1958.34 h50 r270